# KiCad board keyboard_v2.kicad_pcb (continued)
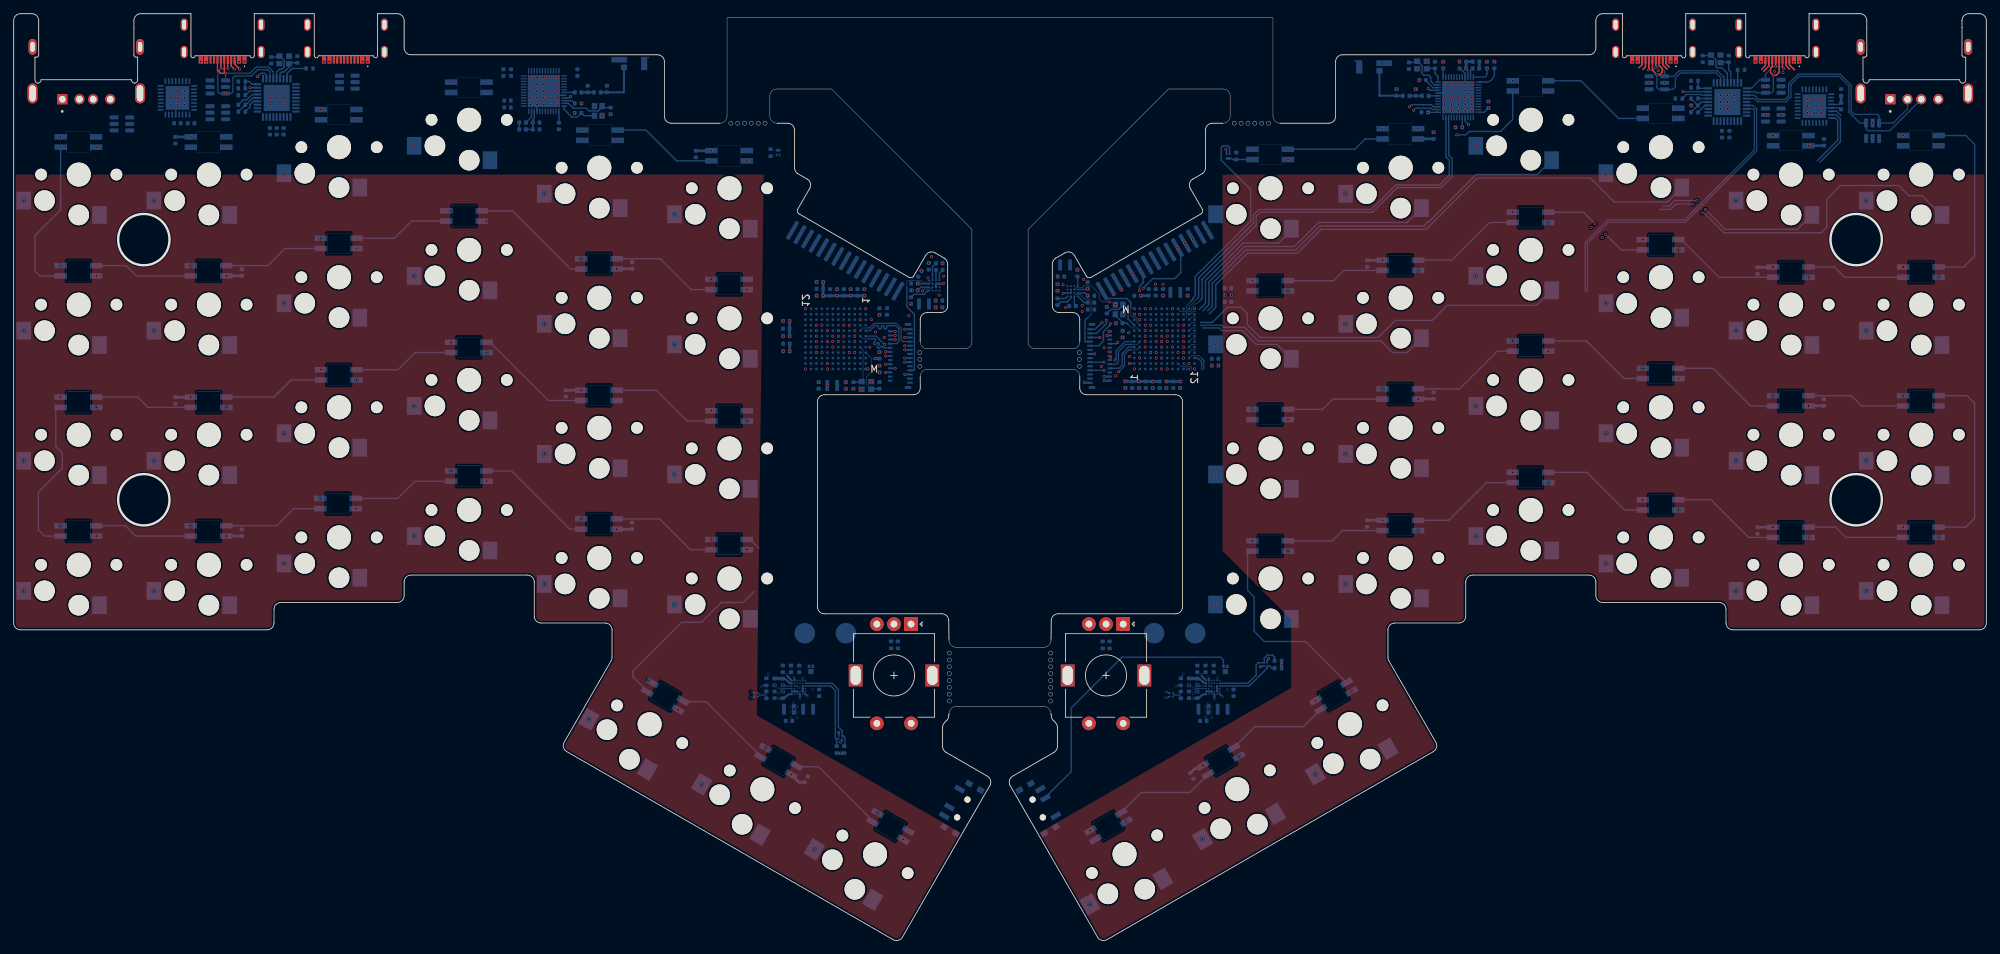
[diagram p0: board, top side]
## Placement (name value [footprint] x y rotation side) (continued)
U1401  MAX9938TEBS+TG45  [BGA4C50P2X2_100X100X67]  108.39 35.85 90 bottom
U1501  USBLC6-4SC6  [SOT-23-6]  29.8 124.65 0 bottom
U1502  USBLC6-4SC6  [SOT-23-6]  48.7 125.35 180 bottom
U1503  USBLC6-4SC6  [SOT-23-6]  15.8 119.25 180 bottom
U1504  STM32G0B1KBUx  [QFN-32-1EP_5x5mm_P0.5mm_EP3.45x3.45mm]  23.9 123.05 90 bottom
U1505  USB2533-1080AEN  [QFN50P600X600X100-37N-D]  38.4 123.05 180 bottom
U1506  USBLC6-4SC6  [SOT-23-6]  29.8 120.89 0 bottom
Y601  CX2016SA24000D0HLLG3  [Crystal_SMD_2016-4Pin_2.0x1.6mm]  248.5 128.75 0 bottom
Y802  32MHz  [Crystal_SMD_2016-4Pin_2.0x1.6mm]  161.4 92.15 270 bottom
Y902  32MHz  [Crystal_SMD_2016-4Pin_2.0x1.6mm]  205.6 127.85 180 bottom
Y1002  32MHz  [Crystal_SMD_2016-4Pin_2.0x1.6mm]  85.35 121.15 90 bottom
Y1302  32MHz  [Crystal_SMD_2016-4Pin_2.0x1.6mm]  124.5 81.05 180 bottom
Y1501  CX2016SA24000D0HLLG3  [Crystal_SMD_2016-4Pin_2.0x1.6mm]  39.5 128.6 0 bottom

## Library data of the parts
ANT201 ANT301 = -: Datasheet: https://media.digikey.com/pdf/Data%20Sheets/Yageo%20PDFs/ANT3216A063R2400A_Rev2014.pdf; Description: Antennas 1W, 2.45GHz, 3216; Height: 0.65; Mouser Part Number: 603-ANT3216A063R2400; Mouser Price/Stock: https://www.mouser.co.uk/ProductDetail/Pulse-Electronics/ANT3216A063R2400A?qs=CqAAFKzD4h%252BYK9SO0hbvNw%3D%3D; Manufacturer_Name: Pulse Electronics
C401-C409 C501-C508 C601 C602 C604-C608 C701-C709 C801-C817 C819 C821-C824 C903-C915 C1003-C1015 C1101-C1109 C1201-C1209 C1301-C1317 C1319 C1321-C1324 C1401-C1408 C1501 C1502 C1504-C1508 = -: Description: Unpolarized capacitor, small symbol; ki_fp_filters: C_*
D701-D727 D1201-D1227 = -: MF: DONGGUANG OPSCO OPTOELECTRONICS CO., LTD; MAXIMUM_PACKAGE_HEIGHT: 0.84mm; Package: Package; Price: None; Check_prices: https://www.snapeda.com/parts/SK6812-E/DONGGUANG+OPSCO+OPTOELECTRONICS+CO.%252C+LTD/view-part/?ref=eda; STANDARD: Manufacturer recommendations; PARTREV: 2; SnapEDA_Link: https://www.snapeda.com/parts/SK6812-E/DONGGUANG+OPSCO+OPTOELECTRONICS+CO.%252C+LTD/view-part/?ref=snap; Description_1: SK6812MINI-E is a smart LED control circuit and light emitting circuit in one controlled LED source, which has the shape of a 3528 LED chip.; Availability: Not in stock; MANUFACTURER: DONGGUANG OPSCO
IC501 IC1401 = -: Datasheet: https://static6.arrow.com/aropdfconversion/942f247d1889decade131896ebbd71237a4d497d/adp5360.pdf; Description: Battery Management IC, ULP PMU CHG FG BP Buck BB WLCSP; Height: 0.56; Mouser Part Number: 584-ADP5360ACBZ-2-R7; Mouser Price/Stock: https://www.mouser.co.uk/ProductDetail/Analog-Devices/ADP5360ACBZ-2-R7?qs=GBLSl2AkirtayaN8yEOC7w%3D%3D; Manufacturer_Name: Analog Devices
J201 J301 = -: Description: Generic connector, single row, 01x15, script generated (kicad-library-utils/schlib/autogen/connector/); ki_fp_filters: Connector*:*_1x??_*
J401 J1101 = -: Datasheet: https://www.hirose.com/product/document?clcode=CL0580-2400-9-60&productname=FH26W-27S-0.3SHW(60)&series=FH26&documenttype=2DDrawing&lang=en&documentid=0001001683; Description: FFC & FPC Connectors; Height: 2.3; Mouser Part Number: 798-FH26W27S03SHW60; Mouser Price/Stock: https://www.mouser.co.uk/ProductDetail/Hirose-Connector/FH26W-27S-0.3SHW60?qs=vcbW%252B4%252BSTIouYwvbDemSLQ%3D%3D; Manufacturer_Name: Hirose; Manufacturer_Part_Number: FH26W-27S-0.3SHW(60)
J601 J602 J1501 J1502 = -: Datasheet: https://gct.co/files/drawings/usb4510.pdf; Description: USB Connectors USB C Rec 16P 3u" Mid Mnt 1.6mm O-set SMT L = 6.5mm S-Spring; Height: 3.36; Mouser Part Number: 640-USB4510031A; Mouser Price/Stock: https://www.mouser.co.uk/ProductDetail/GCT/USB4510-03-1-A?qs=7D1LtPJG0i3iod3O3OZ7LA%3D%3D; Manufacturer_Name: GCT (GLOBAL CONNECTOR TECHNOLOGY)
J603 J1503 = -: MF: Amphenol Commercial Products; MAXIMUM_PACKAGE_HEIGHT: 6.9 mm; Package: None; Price: None; Check_prices: https://www.snapeda.com/parts/GSB12J21C1EU/Amphenol/view-part/?ref=eda; STANDARD: Manufacturer Recommendations; PARTREV: B; SnapEDA_Link: https://www.snapeda.com/parts/GSB12J21C1EU/Amphenol/view-part/?ref=snap; Purchase-URL: https://www.snapeda.com/api/url_track_click_mouser/?unipart_id=8343628&manufacturer=Amphenol Commercial Products&part_name=GSB12J21C1EU&search_term=None; Description_1: USB 2.0, Type A, Receptacle, Right Angle Reverse Sink, 3.90mm Height, 4 Pins, Shell with e Plating, 30&mu;in Gold, Dip 2.4mm, Shell Forklock, Black High Temperature Housing, Tape and Reel Packaging; Availability: In Stock; MANUFACTURER: Amphenol
L401 L501 L502 L801 L901 L902 L905 L906 L1001 L1002 L1005 L1006 L1101 L1301 L1401 L1402 = -: Description: Inductor, small symbol; ki_fp_filters: Choke_* *Coil* Inductor_* L_*
Q501 Q1401 = -: Datasheet: https://componentsearchengine.com/Datasheets/2/DMP2104LP-7.pdf; Description: MOSFET P-Channel; Height: 0.53; Mouser Part Number: 621-DMP2104LP-7; Mouser Price/Stock: https://www.mouser.co.uk/ProductDetail/Diodes-Incorporated/DMP2104LP-7?qs=R%252By5Lqt1H6xg6KRllhPj7w%3D%3D; Manufacturer_Name: Diodes Incorporated
Q701 Q1201 = -: Datasheet: https://componentsearchengine.com/Datasheets/1/DMN21D2UFB-7B.pdf; Description: MOSFET MOSFET BVDSS: 8V-24V X1-DFN1006-3 T&R 10; Height: 0.53; Mouser Part Number: 621-DMN21D2UFB-7B; Manufacturer_Name: Diodes Incorporated
R501-R503 R601-R606 R701 R708 R709 R801 R802 R1201 R1204 R1208 R1301 R1302 R1401-R1403 R1501-R1506 = -: Description: Resistor, small symbol; ki_fp_filters: R_*
SW502 SW1402 = -: Datasheet: https://www.ckswitches.com/media/1424/pcm.pdf; Description: Slide Switch SPDT Surface Mount, Right Angle; Height: 1.4; Mouser Part Number: 611-PCM12SMTBR; Mouser Price/Stock: https://www.mouser.co.uk/ProductDetail/CK/PCM12SMTBR?qs=By6Nw2ByBD1OEOnWcdZb2g%3D%3D; Manufacturer_Name: C & K COMPONENTS
SW701 SW1227 = -: Description: Rotary encoder, dual channel, incremental quadrate outputs, with switch; ki_fp_filters: RotaryEncoder*Switch*
SW702-SW728 SW1201-SW1226 SW1228 = -: Description: 1x DIP Switch, Single Pole Single Throw (SPST) switch, small symbol; ki_fp_filters: SW?DIP?x1*
TP501 TP502 TP1401 TP1402 = -: Description: test point; ki_fp_filters: Pin* Test*
U401 U1101 = -: Datasheet: https://www.mouser.co.uk/datasheet/2/1458/DS4730_05-3104696.pdf; ki_fp_filters: 16B-WLCSP_2p34X2p43_RIT
U501 U1401 = -: Datasheet: http://componentsearchengine.com/Datasheets/1/MAX9938TEBS+TG45.pdf; Description: 1A, 4-Bump UCSP/SOT23, Precision Current-Sense Amplifier; Mouser Part Number: 700-MAX9938TEBS+TG45; Mouser Price/Stock: https://www.mouser.co.uk/ProductDetail/Maxim-Integrated/MAX9938TEBS%2bTG45?qs=Mc2rGIXtnyUVOGT6U7EsNA%3D%3D; Manufacturer_Name: Analog Devices
U601-U603 U606 U1501-U1503 U1506 = -: Datasheet: https://www.st.com/resource/en/datasheet/usblc6-4.pdf; Description: Very low capacitance ESD protection diode, 4 data-line, SOT-23-6; ki_fp_filters: SOT?23*
U604 U1504 = -: Datasheet: https://www.st.com/resource/en/datasheet/stm32g0b1kb.pdf; Description: STMicroelectronics Arm Cortex-M0+ MCU, 128KB flash, 144KB RAM, 64 MHz, 1.7-3.6V, 30 GPIO, UFQFPN32; ki_fp_filters: QFN*1EP*5x5mm*P0.5mm*
U605 U1505 = -: Datasheet: https://ww1.microchip.com/downloads/en/DeviceDoc/00001702C.pdf; Description: Microchip USB2533-1080AEN, USB Controller, USB 2.0, 3.3 V, 36-Pin SQFN; Height: 1; Mouser Part Number: 579-USB2533-1080AEN; Mouser Price/Stock: https://www.mouser.co.uk/ProductDetail/Microchip-Technology-Atmel/USB2533-1080AEN?qs=3i1%252BhB2xfwkiUdr5ZR6aAQ%3D%3D; Manufacturer_Name: Microchip
U801 U1301 = -: ki_fp_filters: UFBGA144_STM
U802 U1302 = -: Datasheet: https://www.st.com/resource/en/datasheet/m24256x-f.pdf; Description: 256-Kbit serial I2C bus EEPROM; Height: 0.328; Mouser Part Number: 511-M24256X-FCU6T/VF; Mouser Price/Stock: https://www.mouser.co.uk/ProductDetail/STMicroelectronics/M24256X-FCU6T-VF?qs=Wj%2FVkw3K%252BMB8rPOzTsJFzg%3D%3D; Manufacturer_Name: STMicroelectronics; Manufacturer_Part_Number: M24256X-FCU6T/VF
U901 U1001 = -: Datasheet: https://infocenter.nordicsemi.com/pdf/nRF52840_PS_v1.7.pdf; Description: RF System on a Chip - SoC Multiprotocol Bluetooth 5.3 SoC supporting Bluetooth Low Energy, Bluetooth mesh, NFC, Thread and Zigbee; Height: 0.95; Manufacturer_Name: Nordic Semiconductor; Mouser Part Number: 949-NRF52840QFAAF-R7; Mouser Price/Stock: https://www.mouser.co.uk/ProductDetail/Nordic-Semiconductor/nRF52840-QFAA-F-R7?qs=TCDPyi3sCW2TA2kPWr8xHQ%3D%3D; Arrow Part Number: NRF52840-QFAA-F-R7; Arrow Price/Stock: null?region=nac
Y601 Y1501 = -: Description: Four pin crystal, GND on pins 2 and 4, small symbol; Frequency: 24MHz; ki_fp_filters: Crystal*
Y802 Y902 Y1002 Y1302 = -: Description: Four pin crystal, GND on pins 2 and 4, small symbol; Name: ECS-320-8-37B2-JTY-TR; ki_fp_filters: Crystal*

## Footprints (pads in the part's own frame, mm; a bottom-side part is the same pattern mirrored in y, then rotated)
ADP5360ACBZ1R7
  round 0.25 smd: A1(-1,1) A2(-0.6,1) A3(-0.2,1) A4(0.2,1) A5(0.6,1) A6(1,1) B1(-1,0.6) B2(-0.6,0.6) B3(-0.2,0.6) B4(0.2,0.6) B5(0.6,0.6) B6(1,0.6) C1(-1,0.2) C2(-0.6,0.2) C5(0.6,0.2) C6(1,0.2) D1(-1,-0.2) D2(-0.6,-0.2) D5(0.6,-0.2) D6(1,-0.2) E1(-1,-0.6) E2(-0.6,-0.6) E3(-0.2,-0.6) E4(0.2,-0.6) E5(0.6,-0.6) E6(1,-0.6) F1(-1,-1) F2(-0.6,-1) F3(-0.2,-1) F4(0.2,-1) F5(0.6,-1) F6(1,-1)
AMPHENOL_GSB12J21C1EU
  rect 1.478x1.478 hole 0.97: 1(3.5,0.85)
  round 1.478 hole 0.97: 2(1,0.85) 3(-1,0.85) 4(-3.5,0.85)
  oval 1.158x2.316 hole 0.65x1.45: SH1(-7.85,-6.8) SH2(7.85,-6.8)
  oval 1.458x2.916 hole 0.95x2.35: SH3(-7.85,0) SH4(7.85,0)
ANTC3016X65N
  rect 0.9x0.84 smd: 1(-1.5,-0.58) 2(-1.5,0.53)
  rect 0.9x1.95 smd: 3(1.45,-0.025)
BGA4C50P2X2_70X98X33
  rrect 0.25x0.2 smd: A1(-0.2,0.25) A2(0.2,0.25) B1(-0.2,-0.25) B2(0.2,-0.25)
BGA4C50P2X2_100X100X67
  round 0.305 smd: A1(-0.254,0.254) A2(0.254,0.254) B1(-0.254,-0.254) B2(0.254,-0.254)
C_0402_1005Metric
  rrect 0.56x0.62 smd: 1(-0.48,0) 2(0.48,0)
choc-v1-hotswap
  round 1.702 hole 1.702 unplated: (-5.5,0) (5.5,0)
  round 3 hole 3 unplated: (-5,-3.8) (0,-5.9)
  round 3.5 hole 3.5 unplated: (0,0)
  rect 2.125x2.6 smd far side: 1(-8.037,-3.8) 2(3.038,-5.9)
Crystal_SMD_2016-4Pin_2.0x1.6mm
  rect 0.9x0.8 smd: 1(-0.7,-0.55) 2(0.7,-0.55) 3(0.7,0.55) 4(-0.7,0.55)
debug_header
  rrect 0.6x3 smd: 1(-8.89,0) 2(-7.62,0) 3(-6.35,0) 4(-5.08,0) 5(-3.81,0) 6(-2.54,0) 7(-1.27,0) 8(0,0) 9(1.27,0) 10(2.54,0) 11(3.81,0) 12(5.08,0) 13(6.35,0) 14(7.62,0) 15(8.89,0)
DMN21D2UFB7B
  rrect 0.4x0.25 smd: 1(0.35,-0.225) 2(0.35,0.225)
  rrect 0.4x0.7 smd: 3(-0.35,0)
DMP2104LP7
  rect 0.48x0.4 smd: 1(0.38,-0.275) 3(0.38,0.275)
  rect 0.75x0.75 smd: 2(-0.38,0)
FH26W27S03SHW60
  rect 0.3x0.8 smd: 1(-3.9,-1.35) 3(-3.3,-1.35) 5(-2.7,-1.35) 7(-2.1,-1.35) 9(-1.5,-1.35) 11(-0.9,-1.35) 13(-0.3,-1.35) 15(0.3,-1.35) 17(0.9,-1.35) 19(1.5,-1.35) 21(2.1,-1.35) 23(2.7,-1.35) 25(3.3,-1.35) 27(3.9,-1.35)
  rect 0.3x0.65 smd: 2(-3.6,1.525) 4(-3,1.525) 6(-2.4,1.525) 8(-1.8,1.525) 10(-1.2,1.525) 12(-0.6,1.525) 14(0,1.525) 16(0.6,1.525) 18(1.2,1.525) 20(1.8,1.525) 22(2.4,1.525) 24(3,1.525) 26(3.6,1.525)
  rect 0.4x0.95 smd: MP1(-4.6,-1.075) MP2(4.6,-1.075)
L_0402_1005Metric
  rrect 0.59x0.64 smd: 1(-0.485,0) 2(0.485,0)
L_Murata_DFE201610P
  rect 0.55x1.6 smd: 1(-0.725,0) 2(0.725,0)
LED_SK6812-E
  rect 1.8x0.82 smd: 1(2.6,0.75) 2(2.6,-0.75) 3(-2.6,-0.75) 4(-2.6,0.75)
PCM12SMTBR
  round 0.9 hole 0.9 unplated: (-1.5,0) (1.5,0)
  rect 0.7x1.5 smd: 1(-2.25,1.75) 2(0.75,1.75) 3(2.25,1.75)
  rect 0.8x1 smd: MP1(-3.65,0.965) MP2(3.65,0.965) MP3(-3.65,-0.965) MP4(3.65,-0.965)
QFN40P600X600X95-49N-D
  rect 0.85x0.2 smd: 1(-2.95,2.2) 2(-2.95,1.8) 3(-2.95,1.4) 4(-2.95,1) 5(-2.95,0.6) 6(-2.95,0.2) 7(-2.95,-0.2) 8(-2.95,-0.6) 9(-2.95,-1) 10(-2.95,-1.4) 11(-2.95,-1.8) 12(-2.95,-2.2) 25(2.95,-2.2) 26(2.95,-1.8) 27(2.95,-1.4) 28(2.95,-1) 29(2.95,-0.6) 30(2.95,-0.2) 31(2.95,0.2) 32(2.95,0.6) 33(2.95,1) 34(2.95,1.4) 35(2.95,1.8) 36(2.95,2.2)
  rect 0.2x0.85 smd: 13(-2.2,-2.95) 14(-1.8,-2.95) 15(-1.4,-2.95) 16(-1,-2.95) 17(-0.6,-2.95) 18(-0.2,-2.95) 19(0.2,-2.95) 20(0.6,-2.95) 21(1,-2.95) 22(1.4,-2.95) 23(1.8,-2.95) 24(2.2,-2.95) 37(2.2,2.95) 38(1.8,2.95) 39(1.4,2.95) 40(1,2.95) 41(0.6,2.95) 42(0.2,2.95) 43(-0.2,2.95) 44(-0.6,2.95) 45(-1,2.95) 46(-1.4,2.95) 47(-1.8,2.95) 48(-2.2,2.95)
  rect 4.7x4.7 smd: 49(0,0)
QFN50P600X600X100-37N-D
  rect 1.1x0.3 smd: 1(-2.8,2) 2(-2.8,1.5) 3(-2.8,1) 4(-2.8,0.5) 5(-2.8,0) 6(-2.8,-0.5) 7(-2.8,-1) 8(-2.8,-1.5) 9(-2.8,-2) 19(2.8,-2) 20(2.8,-1.5) 21(2.8,-1) 22(2.8,-0.5) 23(2.8,0) 24(2.8,0.5) 25(2.8,1) 26(2.8,1.5) 27(2.8,2)
  rect 0.3x1.1 smd: 10(-2,-2.8) 11(-1.5,-2.8) 12(-1,-2.8) 13(-0.5,-2.8) 14(0,-2.8) 15(0.5,-2.8) 16(1,-2.8) 17(1.5,-2.8) 18(2,-2.8) 28(2,2.8) 29(1.5,2.8) 30(1,2.8) 31(0.5,2.8) 32(0,2.8) 33(-0.5,2.8) 34(-1,2.8) 35(-1.5,2.8) 36(-2,2.8)
  rect 3.8x3.8 smd: 37(0,0)
QFN-32-1EP_5x5mm_P0.5mm_EP3.45x3.45mm
  rrect 0.93x0.93 smd: (-1.15,-1.15) (-1.15,0) (-1.15,1.15) (0,-1.15) (0,0) (0,1.15) (1.15,-1.15) (1.15,0) (1.15,1.15)
  rrect 0.875x0.25 smd: 1(-2.438,1.75) 2(-2.438,1.25) 3(-2.438,0.75) 4(-2.438,0.25) 5(-2.438,-0.25) 6(-2.438,-0.75) 7(-2.438,-1.25) 8(-2.438,-1.75) 17(2.438,-1.75) 18(2.438,-1.25) 19(2.438,-0.75) 20(2.438,-0.25) 21(2.438,0.25) 22(2.438,0.75) 23(2.438,1.25) 24(2.438,1.75)
  rrect 0.25x0.875 smd: 9(-1.75,-2.438) 10(-1.25,-2.438) 11(-0.75,-2.438) 12(-0.25,-2.438) 13(0.25,-2.438) 14(0.75,-2.438) 15(1.25,-2.438) 16(1.75,-2.438) 25(1.75,2.438) 26(1.25,2.438) 27(0.75,2.438) 28(0.25,2.438) 29(-0.25,2.438) 30(-0.75,2.438) 31(-1.25,2.438) 32(-1.75,2.438)
  rect 3.45x3.45 smd: 33(0,0)
R_0402_1005Metric
  rrect 0.54x0.64 smd: 1(-0.51,0) 2(0.51,0)
RotaryEncoder_Alps_EC11E-Switch_Vertical_H20mm
  rect 2x2 hole 1: A(0,0)
  round 2 hole 1: B(0,-5) C(0,-2.5) S1(14.5,-5) S2(14.5,0)
  rect 3.2x2 hole 2.8x1.5: S2(7.5,3.1) S2(7.5,-8.1)
RT4730WSC
  round 0.3 smd: A1(-0.75,0.75) A2(-0.25,0.75) A3(0.25,0.75) A4(0.75,0.75) B1(-0.75,0.25) B2(-0.25,0.25) B3(0.25,0.25) B4(0.75,0.25) C1(-0.75,-0.25) C2(-0.25,-0.25) C3(0.25,-0.25) C4(0.75,-0.25)
  rect 0.2x0.3 smd: D1(-0.75,-0.75) D2(-0.25,-0.75) D3(0.25,-0.75) D4(0.75,-0.75)
SOT-23-6
  rrect 1.325x0.6 smd: 1(-1.137,0.95) 2(-1.137,0) 3(-1.137,-0.95) 4(1.137,-0.95) 5(1.137,0) 6(1.137,0.95)
TestPoint_Pad_D3.0mm
  round 3 smd: 1(0,0)
UFBGA144_STM
  round 0.4 smd: A1(-4.4,4.4) A2(-3.6,4.4) A3(-2.8,4.4) A4(-2,4.4) A5(-1.2,4.4) A6(-0.4,4.4) A7(0.4,4.4) A8(1.2,4.4) A9(2,4.4) A10(2.8,4.4) A11(3.6,4.4) A12(4.4,4.4) B1(-4.4,3.6) B2(-3.6,3.6) B3(-2.8,3.6) B4(-2,3.6) B5(-1.2,3.6) B6(-0.4,3.6) B7(0.4,3.6) B8(1.2,3.6) B9(2,3.6) B10(2.8,3.6) B11(3.6,3.6) B12(4.4,3.6) C1(-4.4,2.8) C2(-3.6,2.8) C3(-2.8,2.8) C4(-2,2.8) C5(-1.2,2.8) C6(-0.4,2.8) C7(0.4,2.8) C8(1.2,2.8) C9(2,2.8) C10(2.8,2.8) C11(3.6,2.8) C12(4.4,2.8) D1(-4.4,2) D2(-3.6,2) D3(-2.8,2) D4(-2,2) D5(-1.2,2) D6(-0.4,2) D7(0.4,2) D8(1.2,2) D9(2,2) D10(2.8,2) D11(3.6,2) D12(4.4,2) E1(-4.4,1.2) E2(-3.6,1.2) E3(-2.8,1.2) E4(-2,1.2) E5(-1.2,1.2) E6(-0.4,1.2) E7(0.4,1.2) E8(1.2,1.2) E9(2,1.2) E10(2.8,1.2) E11(3.6,1.2) E12(4.4,1.2) F1(-4.4,0.4) F2(-3.6,0.4) F3(-2.8,0.4) F4(-2,0.4) F5(-1.2,0.4) F6(-0.4,0.4) F7(0.4,0.4) F8(1.2,0.4) F9(2,0.4) F10(2.8,0.4) F11(3.6,0.4) F12(4.4,0.4) G1(-4.4,-0.4) G2(-3.6,-0.4) G3(-2.8,-0.4) G4(-2,-0.4) G5(-1.2,-0.4) G6(-0.4,-0.4) G7(0.4,-0.4) G8(1.2,-0.4) G9(2,-0.4) G10(2.8,-0.4) G11(3.6,-0.4) G12(4.4,-0.4) H1(-4.4,-1.2) H2(-3.6,-1.2) H3(-2.8,-1.2) H4(-2,-1.2) H5(-1.2,-1.2) H6(-0.4,-1.2) H7(0.4,-1.2) H8(1.2,-1.2) H9(2,-1.2) H10(2.8,-1.2) H11(3.6,-1.2) H12(4.4,-1.2) J1(-4.4,-2) J2(-3.6,-2) J3(-2.8,-2) J4(-2,-2) J5(-1.2,-2) J6(-0.4,-2) J7(0.4,-2) J8(1.2,-2) J9(2,-2) J10(2.8,-2) J11(3.6,-2) J12(4.4,-2) K1(-4.4,-2.8) K2(-3.6,-2.8) K3(-2.8,-2.8) K4(-2,-2.8) K5(-1.2,-2.8) K6(-0.4,-2.8) K7(0.4,-2.8) K8(1.2,-2.8) K9(2,-2.8) K10(2.8,-2.8) K11(3.6,-2.8) K12(4.4,-2.8) L1(-4.4,-3.6) L2(-3.6,-3.6) L3(-2.8,-3.6) L4(-2,-3.6) L5(-1.2,-3.6) L6(-0.4,-3.6) L7(0.4,-3.6) L8(1.2,-3.6) L9(2,-3.6) L10(2.8,-3.6) L11(3.6,-3.6) L12(4.4,-3.6) M1(-4.4,-4.4) M2(-3.6,-4.4) M3(-2.8,-4.4) M4(-2,-4.4) M5(-1.2,-4.4) M6(-0.4,-4.4) M7(0.4,-4.4) M8(1.2,-4.4) M9(2,-4.4) M10(2.8,-4.4) M11(3.6,-4.4) M12(4.4,-4.4)
USB4510031A
  rect 0.6x1.1 smd: A1(-3.2,4) A4(-2.4,4) A9(2.4,4) A12(3.2,4)
  rect 0.3x1.1 smd: A5(-1.25,4) A6(-0.25,4) A7(0.25,4) A8(1.25,4) B5(1.75,4) B6(0.75,4) B7(-0.75,4) B8(-1.75,4)
  oval 1x1.8 hole 0.6x1.4: MH1(-5.62,2.85) MH2(-5.62,-1.15) MH3(5.62,-1.15) MH4(5.62,2.85)

## Nets
+1V2: C606.1 C1506.1 U605.14 U1505.14
+1V8: C506.1 C801.1 C802.1 C803.1 C804.1 C805.1 C806.1 C807.1 C808.1 C809.1 C810.1 C811.1 C813.1 C814.1 C819.1 C907.1 C908.1 C909.1 C910.1 C912.1 C1007.1 C1008.1 C1009.1 C1010.1 C1012.1 C1301.1 C1302.1 C1303.1 C1304.1 C1305.1 C1306.1 C1307.1 C1308.1 C1309.1 C1310.1 C1314.1 C1316.1 C1317.1 C1319.1 C1406.1 IC501.D1 IC1401.D1 J201.5 J201.15 J301.1 J301.11 J401.5 J401.17 J1101.5 J1101.17 L501.2 L1401.2 Q701.1 Q1201.1 R801.1 R802.1 R1301.1 R1302.1 U801.C2 U801.E3 U801.E8 U801.E10 U801.F5 U801.G8 U801.G10 U801.H5 U801.H7 U801.J4 U801.J10 U801.M8 U802.A1 U901.12 U901.17 U901.25 U901.37 U901.48 U1001.12 U1001.17 U1001.25 U1001.37 U1001.48 U1301.C2 U1301.E3 U1301.E8 U1301.E10 U1301.F5 U1301.G8 U1301.G10 U1301.H5 U1301.H7 U1301.J4 U1301.J10 U1301.M8 U1302.A1
+3V3: C507.1 C601.1 C602.1 C607.1 C608.1 C815.1 C816.1 C817.1 C1311.1 C1313.1 C1315.1 C1407.1 C1501.1 C1502.1 C1507.1 C1508.1 IC501.A3 IC1401.A3 J201.10 J301.6 J401.23 J1101.23 R601.1 R602.1 R1501.1 R1502.1 U604.4 U604.20 U605.10 U605.15 U605.23 U605.29 U605.36 U801.D10 U801.E6 U1301.D10 U1301.E6 U1504.4 U1504.20 U1505.10 U1505.15 U1505.23 U1505.29 U1505.36
+VBAT: C503.1 C1403.1 IC501.C6 IC501.D6 IC1401.C6 IC1401.D6 Q501.2 Q1401.2
/Left/Display/AVDD: C1106.1 J1101.4 U1101.D2
/Left/Display/AVDDEN: U1101.C2
/Left/Main MCU/VDD11: C1321.1 C1322.1 L1301.1 U1301.D4 U1301.G3 U1301.J9
/Left/USB/VBUS_DET: R1503.1 R1504.2 U1505.27
/Right/Display/AVDD: C406.1 J401.4 U401.D2
/Right/Display/AVDDEN: U401.C2 U801.L1
/Right/Main MCU/VDD11: C821.1 C822.1 L801.1 U801.D4 U801.G3 U801.J9
/Right/USB/VBUS_DET: R603.1 R604.2 U605.27
GND: ANT201.1 ANT201.3 ANT301.2 ANT301.3 C401.2 C402.2 C404.2 C405.2 C406.2 C407.2 C408.2 C409.2 C501.2 C502.2 C503.2 C504.2 C505.2 C506.2 C507.2 C508.2 C601.2 C602.2 C604.2 C605.2 C606.2 C607.2 C608.2 C701.2 C702.2 C703.2 C704.2 C705.2 C706.2 C707.2 C708.2 C709.2 C801.2 C802.2 C803.2 C804.2 C805.2 C806.2 C807.2 C808.2 C809.2 C810.2 C811.2 C812.2 C813.2 C814.2 C815.2 C816.2 C817.2 C819.2 C821.2 C822.2 C823.1 C824.1 C903.1 C904.1 C905.2 C906.2 C907.2 C908.2 C909.2 C910.2 C911.2 C912.2 C913.2 C914.2 C915.2 C1003.1 C1004.1 C1005.2 C1006.2 C1007.2 C1008.2 C1009.2 C1010.2 C1011.2 C1012.2 C1013.2 C1014.2 C1015.2 C1101.2 C1102.2 C1104.2 C1105.2 C1106.2 C1107.2 C1108.2 C1109.2 C1201.2 C1202.2 C1203.2 C1204.2 C1205.2 C1206.2 C1207.2 C1208.2 C1209.2 C1301.2 C1302.2 C1303.2 C1304.2 C1305.2 C1306.2 C1307.2 C1308.2 C1309.2 C1310.2 C1311.2 C1312.2 C1313.2 C1314.2 C1315.2 C1316.2 C1317.2 C1319.2 C1321.2 C1322.2 C1323.1 C1324.1 C1401.2 C1402.2 C1403.2 C1404.2 C1405.2 C1406.2 C1407.2 C1408.2 C1501.2 C1502.2 C1504.2 C1505.2 C1506.2 C1507.2 C1508.2 D701.3 D702.3 D703.3 D704.3 D705.3 D706.3 D707.3 D708.3 D709.3 D710.3 D711.3 D712.3 D713.3 D714.3 D715.3 D716.3 D717.3 D718.3 D719.3 D720.3 D721.3 D722.3 D723.3 D724.3 D725.3 D726.3 D727.3 D1201.3 D1202.3 D1203.3 D1204.3 D1205.3 D1206.3 D1207.3 D1208.3 D1209.3 D1210.3 D1211.3 D1212.3 D1213.3 D1214.3 D1215.3 D1216.3 D1217.3 D1218.3 D1219.3 D1220.3 D1221.3 D1222.3 D1223.3 D1224.3 D1225.3 D1226.3 D1227.3 IC501.A1 IC501.B2 IC501.B3 IC501.B4 IC501.F1 IC501.F4 IC1401.A1 IC1401.B2 IC1401.B3 IC1401.B4 IC1401.F1 IC1401.F4 J201.4 J201.9 J201.14 J301.2 J301.7 J301.12 J401.6 J401.9 J401.12 J401.14 J401.15 J401.18 J401.22 J401.MP1 J401.MP2 J601.A1 J601.A12 J601.MH1 J601.MH2 J601.MH3 J601.MH4 J602.A1 J602.A12 J602.MH1 J602.MH2 J602.MH3 J602.MH4 J603.4 J603.SH1 J603.SH2 J603.SH3 J603.SH4 J1101.6 J1101.9 J1101.12 J1101.14 J1101.15 J1101.18 J1101.22 J1101.MP1 J1101.MP2 J1501.A1 J1501.A12 J1501.MH1 J1501.MH2 J1501.MH3 J1501.MH4 J1502.A1 J1502.A12 J1502.MH1 J1502.MH2 J1502.MH3 J1502.MH4 J1503.4 J1503.SH1 J1503.SH2 J1503.SH3 J1503.SH4 R502.2 R604.1 R605.2 R606.2 R1402.2 R1504.1 R1505.2 R1506.2 SW502.3 SW502.MP1 SW502.MP2 SW502.MP3 SW502.MP4 SW701.C SW701.S2 SW702.1 SW703.1 SW704.1 SW705.1 SW706.1 SW707.1 SW708.1 SW709.1 SW710.1 SW711.1 SW712.1 SW713.1 SW714.1 SW715.1 SW716.1 SW717.1 SW718.1 SW719.1 SW720.1 SW721.1 SW722.1 SW723.1 SW724.1 SW725.1 SW726.1 SW727.1 SW728.1 SW1201.1 SW1202.1 SW1203.1 SW1204.1 SW1205.1 SW1206.1 SW1207.1 SW1208.1 SW1209.1 SW1210.1 SW1211.1 SW1212.1 SW1213.1 SW1214.1 SW1215.1 SW1216.1 SW1217.1 SW1218.1 SW1219.1 SW1220.1 SW1221.1 SW1222.1 SW1223.1 SW1224.1 SW1225.1 SW1226.1 SW1227.C SW1227.S2 SW1228.1 SW1402.3 SW1402.MP1 SW1402.MP2 SW1402.MP3 SW1402.MP4 TP502.1 TP1402.1 U401.A3 U401.B2 U401.B3 U501.B1 U601.2 U602.2 U603.2 U604.5 U604.33 U605.37 U606.2 U801.A1 U801.A12 U801.D1 U801.D5 U801.D9 U801.F3 U801.F6 U801.F7 U801.F10 U801.G6 U801.G7 U801.H1 U801.H10 U801.J3 U801.L8 U801.M1 U801.M12 U802.B2 U901.32 U901.45 U901.49 U1001.32 U1001.45 U1001.49 U1101.A3 U1101.B2 U1101.B3 U1301.A1 U1301.A12 U1301.D1 U1301.D5 U1301.D9 U1301.F3 U1301.F6 U1301.F7 U1301.F10 U1301.G6 U1301.G7 U1301.H1 U1301.H10 U1301.J3 U1301.L8 U1301.M1 U1301.M12 U1302.B2 U1401.B1 U1501.2 U1502.2 U1503.2 U1504.5 U1504.33 U1505.37 U1506.2 Y601.2 Y601.4 Y802.2 Y802.4 Y902.2 Y902.4 Y1002.2 Y1002.4 Y1302.2 Y1302.4 Y1501.2 Y1501.4
VBUS: C501.1 C701.1 C702.1 C703.1 C704.1 C705.1 C706.1 C707.1 C708.1 C709.1 C1201.1 C1202.1 C1203.1 C1204.1 C1205.1 C1206.1 C1207.1 C1208.1 C1209.1 C1401.1 D701.1 D702.1 D703.1 D704.1 D705.1 D706.1 D707.1 D708.1 D709.1 D710.1 D711.1 D712.1 D713.1 D714.1 D715.1 D716.1 D717.1 D718.1 D719.1 D720.1 D721.1 D722.1 D723.1 D724.1 D725.1 D726.1 D727.1 D1201.1 D1202.1 D1203.1 D1204.1 D1205.1 D1206.1 D1207.1 D1208.1 D1209.1 D1210.1 D1211.1 D1212.1 D1213.1 D1214.1 D1215.1 D1216.1 D1217.1 D1218.1 D1219.1 D1220.1 D1221.1 D1222.1 D1223.1 D1224.1 D1225.1 D1226.1 D1227.1 IC501.F6 IC1401.F6 J601.A4 J601.A9 J602.A4 J602.A9 J603.1 J1501.A4 J1501.A9 J1502.A4 J1502.A9 J1503.1 R603.2 R701.1 R1201.1 R1503.2 U601.5 U602.5 U603.5 U606.5 U1501.5 U1502.5 U1503.5 U1506.5
VDD: C502.1 C1402.1 IC501.F5 IC1401.F5 R501.1 R1401.1
+VSYS: C401.1 C402.1 C505.1 C508.1 C1101.1 C1102.1 C1405.1 C1408.1 IC501.C1 IC501.D2 IC501.E2 IC501.F2 IC1401.C1 IC1401.D2 IC1401.E2 IC1401.F2 R503.2 R708.1 R709.1 R1204.1 R1208.1 R1403.2 U401.A1 U401.A2 U501.A2 U1101.A1 U1101.A2 U1401.A2
/Left/Bluetooth/ANT: ANT201.2 C1006.1 L1005.2
/Left/Bluetooth/DCC1: L1001.1 U1001.47
/Left/Bluetooth/DCC2: L1001.2 L1006.1
/Left/Bluetooth/DEC1: C1011.1 U1001.1
/Left/Bluetooth/DEC3: C1013.1 U1001.34
/Left/Bluetooth/DEC4_6: C1014.1 C1015.1 L1006.2 U1001.33 U1001.46
/Left/Bluetooth/RF1: L1002.1 U1001.31
/Left/Bluetooth/RF2: C1005.1 L1002.2 L1005.1
/Left/Bluetooth/RST: J201.11 U1001.16
/Left/Bluetooth/SWCLK: J201.13 U1001.27
/Left/Bluetooth/SWDIO: J201.12 U1001.26
/Left/Bluetooth/UART_RX: U1001.23
/Left/Bluetooth/UART_TX: U1001.22
/Left/Bluetooth/XC1: C1003.2 U1001.35 Y1002.3
/Left/Bluetooth/XC2: C1004.2 U1001.36 Y1002.1
/Left/Display/C1N: C1103.2 U1101.B4
/Left/Display/C1P: C1103.1 U1101.A4
/Left/Display/DSI_CKN: J1101.11 U1301.F1
/Left/Display/DSI_CKP: J1101.10 U1301.F2
/Left/Display/DSI_D0N: J1101.8 U1301.E1
/Left/Display/DSI_D0P: J1101.7 U1301.E2
/Left/Display/DSI_TE: J1101.20 U1301.C5
/Left/Display/ELVDD: C1107.1 J1101.2 U1101.D3
/Left/Display/ELVSS: C1108.1 C1109.1 J1101.1 U1101.D4
/Left/Display/IM0: J1101.16
/Left/Display/INT_TP: J1101.25
/Left/Display/LX1: L1101.1 U1101.B1
/Left/Display/LX2: L1101.2 U1101.C1
/Left/Display/RST_DISP: J1101.19
/Left/Display/RST_TP: J1101.24
/Left/Display/SCL_TP: J1101.26
/Left/Display/SDA_TP: J1101.27
/Left/Display/SWIRE: J1101.21 U1101.C3
/Left/Display/VON: C1105.1 U1101.C4
/Left/Display/VOUT: C1104.1 U1101.D1
/Left/Keys/ENC_A: R1204.2 SW1227.A
/Left/Keys/ENC_B: R1208.2 SW1227.B
/Left/Keys/ENC_SW: SW1227.S1
/Left/Keys/KEY_A1: SW1201.2
/Left/Keys/KEY_A2: SW1205.2
/Left/Keys/KEY_A3: SW1209.2
/Left/Keys/KEY_A4: SW1213.2
/Left/Keys/KEY_A5: SW1217.2
/Left/Keys/KEY_A6: SW1222.2
/Left/Keys/KEY_B1: SW1202.2
/Left/Keys/KEY_B2: SW1206.2
/Left/Keys/KEY_B3: SW1210.2
/Left/Keys/KEY_B4: SW1214.2
/Left/Keys/KEY_B5: SW1218.2
/Left/Keys/KEY_B6: SW1223.2
/Left/Keys/KEY_C1: SW1203.2
/Left/Keys/KEY_C2: SW1207.2
/Left/Keys/KEY_C3: SW1211.2
/Left/Keys/KEY_C4: SW1215.2
/Left/Keys/KEY_C5: SW1219.2
/Left/Keys/KEY_C6: SW1224.2
/Left/Keys/KEY_D1: SW1204.2
/Left/Keys/KEY_D2: SW1208.2
/Left/Keys/KEY_D3: SW1212.2
/Left/Keys/KEY_D4: SW1216.2
/Left/Keys/KEY_D5: SW1220.2
/Left/Keys/KEY_D6: SW1225.2
/Left/Keys/KEY_E1: SW1221.2
/Left/Keys/KEY_E2: SW1226.2
/Left/Keys/KEY_E3: SW1228.2
/Left/Keys/LED1: D1201.4 Q1201.3 R1201.2
/Left/Keys/LED2: D1201.2 D1204.4
/Left/Keys/LED3: D1204.2 D1207.4
/Left/Keys/LED4: D1207.2 D1210.4
/Left/Keys/LED5: D1210.2 D1213.4
/Left/Keys/LED6: D1213.2 D1216.4
/Left/Keys/LED7: D1216.2 D1219.4
/Left/Keys/LED8: D1219.2 D1222.4
/Left/Keys/LED9: D1222.2 D1225.4
/Left/Keys/LED10: D1202.4 D1225.2
/Left/Keys/LED11: D1202.2 D1205.4
/Left/Keys/LED12: D1205.2 D1208.4
/Left/Keys/LED13: D1208.2 D1211.4
/Left/Keys/LED14: D1211.2 D1214.4
/Left/Keys/LED15: D1214.2 D1217.4
/Left/Keys/LED16: D1217.2 D1220.4
/Left/Keys/LED17: D1220.2 D1223.4
/Left/Keys/LED18: D1223.2 D1226.4
/Left/Keys/LED19: D1203.4 D1226.2
/Left/Keys/LED20: D1203.2 D1206.4
/Left/Keys/LED21: D1206.2 D1209.4
/Left/Keys/LED22: D1209.2 D1212.4
/Left/Keys/LED23: D1212.2 D1215.4
/Left/Keys/LED24: D1215.2 D1218.4
/Left/Keys/LED25: D1218.2 D1221.4
/Left/Keys/LED26: D1221.2 D1224.4
/Left/Keys/LED27: D1224.2 D1227.4
/Left/Keys/NEOPIXEL: Q1201.2
/Left/Main MCU/OSC_IN: C1323.2 U1301.H2 Y1302.3
/Left/Main MCU/OSC_OUT: C1324.2 U1301.J1 Y1302.1
/Left/Main MCU/PWR_ENCHG: IC1401.F3
/Left/Main MCU/PWR_INT: IC1401.A6
/Left/Main MCU/PWR_MR: IC1401.E4 R1401.2
/Left/Main MCU/RST: J201.1 U1301.J2
/Left/Main MCU/SCL: IC1401.A4 R1302.2 U1302.A2
/Left/Main MCU/SDA: IC1401.A5 R1301.2 U1302.B1
/Left/Main MCU/SWCLK: J201.3 U1301.B11
/Left/Main MCU/SWDIO: J201.2 U1301.C10
/Left/Main MCU/USB_RST: J201.6 U1504.6
/Left/Main MCU/VLXSMPS: L1301.2 U1301.M7
/Left/Main MCU/VREF+: C1312.1 U1301.H3
/Left/Power/BAT: Q1401.3 SW1402.1 TP1401.1
/Left/Power/BAT_SW: Q1401.1 SW1402.2
/Left/Power/ISYS: U1401.B2
/Left/Power/SW_1V8: IC1401.E1 L1401.1
/Left/Power/SWA_3V3: IC1401.B1 L1402.1
/Left/Power/SWB_3V3: IC1401.A2 L1402.2
/Left/Power/THR: IC1401.B6 R1402.1
/Left/Power/VSYS_MON: C1404.1 IC1401.E6 R1403.1 U1401.A1
/Left/USB/CFG_SEL1: R1506.1 U1505.25
/Left/USB/RBIAS: R1505.1 U1505.35
/Left/USB/SCL: R1502.2 U1504.19 U1505.24
/Left/USB/SDA: R1501.2 U1504.21 U1505.22
/Left/USB/SWCLK: J201.8 U1504.25
/Left/USB/SWDIO: J201.7 U1504.24
/Left/USB/USB0_CC1: J1501.A5 U1501.1 U1504.18
/Left/USB/USB0_CC2: J1501.B5 U1501.3 U1504.17
/Left/USB/USB0_DN: J1501.A7 J1501.B7 U1501.6 U1505.30
/Left/USB/USB0_DP: J1501.A6 J1501.B6 U1501.4 U1505.31
/Left/USB/USB0_RX: J1501.B8 U1506.6
/Left/USB/USB0_TX: J1501.A8 U1506.4
/Left/USB/USB1_CC1: J1502.A5 U1502.1 U1504.26
/Left/USB/USB1_CC2: J1502.B5 U1502.3 U1504.28
/Left/USB/USB1_DN: J1502.A7 J1502.B7 U1502.6 U1505.1
/Left/USB/USB1_DP: J1502.A6 J1502.B6 U1502.4 U1505.2
/Left/USB/USB1_RX: J1502.B8 U1506.3
/Left/USB/USB1_TX: J1502.A8 U1506.1
/Left/USB/USB2_DN: U1301.C12 U1505.3
/Left/USB/USB2_DP: U1301.C11 U1505.4
/Left/USB/USB3_DN: J1503.2 U1503.1 U1505.6
/Left/USB/USB3_DP: J1503.3 U1503.3 U1505.7
/Left/USB/USB_RST: U1505.26
/Left/USB/XTAL1: C1505.1 U1505.33 Y1501.3
/Left/USB/XTAL2: C1504.1 U1505.32 Y1501.1
/Right/Bluetooth/ANT: ANT301.1 C906.1 L905.2
/Right/Bluetooth/DCC1: L901.1 U901.47
/Right/Bluetooth/DCC2: L901.2 L906.1
/Right/Bluetooth/DEC1: C911.1 U901.1
/Right/Bluetooth/DEC3: C913.1 U901.34
/Right/Bluetooth/DEC4_6: C914.1 C915.1 L906.2 U901.33 U901.46
/Right/Bluetooth/RF1: L902.1 U901.31
/Right/Bluetooth/RF2: C905.1 L902.2 L905.1
/Right/Bluetooth/RST: J301.5 U801.M4 U901.16
/Right/Bluetooth/SWCLK: J301.3 U901.27
/Right/Bluetooth/SWDIO: J301.4 U901.26
/Right/Bluetooth/UART_RX: U801.M11 U901.23
/Right/Bluetooth/UART_TX: U801.K10 U901.22
/Right/Bluetooth/XC1: C903.2 U901.35 Y902.3
/Right/Bluetooth/XC2: C904.2 U901.36 Y902.1
/Right/Display/C1N: C403.2 U401.B4
/Right/Display/C1P: C403.1 U401.A4
/Right/Display/DSI_CKN: J401.11 U801.F1
/Right/Display/DSI_CKP: J401.10 U801.F2
/Right/Display/DSI_D0N: J401.8 U801.E1
/Right/Display/DSI_D0P: J401.7 U801.E2
/Right/Display/DSI_TE: J401.20 U801.C5
/Right/Display/ELVDD: C407.1 J401.2 U401.D3
/Right/Display/ELVSS: C408.1 C409.1 J401.1 U401.D4
/Right/Display/IM0: J401.16 U801.B1
/Right/Display/INT_TP: J401.25 U801.L2
/Right/Display/LX1: L401.1 U401.B1
/Right/Display/LX2: L401.2 U401.C1
/Right/Display/RST_DISP: J401.19 U801.K2
/Right/Display/RST_TP: J401.24 U801.A7
/Right/Display/SCL_TP: J401.26 U801.A6
/Right/Display/SDA_TP: J401.27 U801.C6
/Right/Display/SWIRE: J401.21 U401.C3
/Right/Display/VON: C405.1 U401.C4
